# Altium PCB Waffling60-NMB.PcbDoc (part 2 of 2)
Units mm, origin at the board's own origin, x right, y up, seen from the top; angles counter-clockwise.
Board outline 284.7 x 94.21 mm, 2 copper layers (Component Side, Bottom Layer), stack 1.571 mm thick; 191 components, 116 nets, 794 pads, 119 vias.
Unrouted connection lines stored in the file: 9.
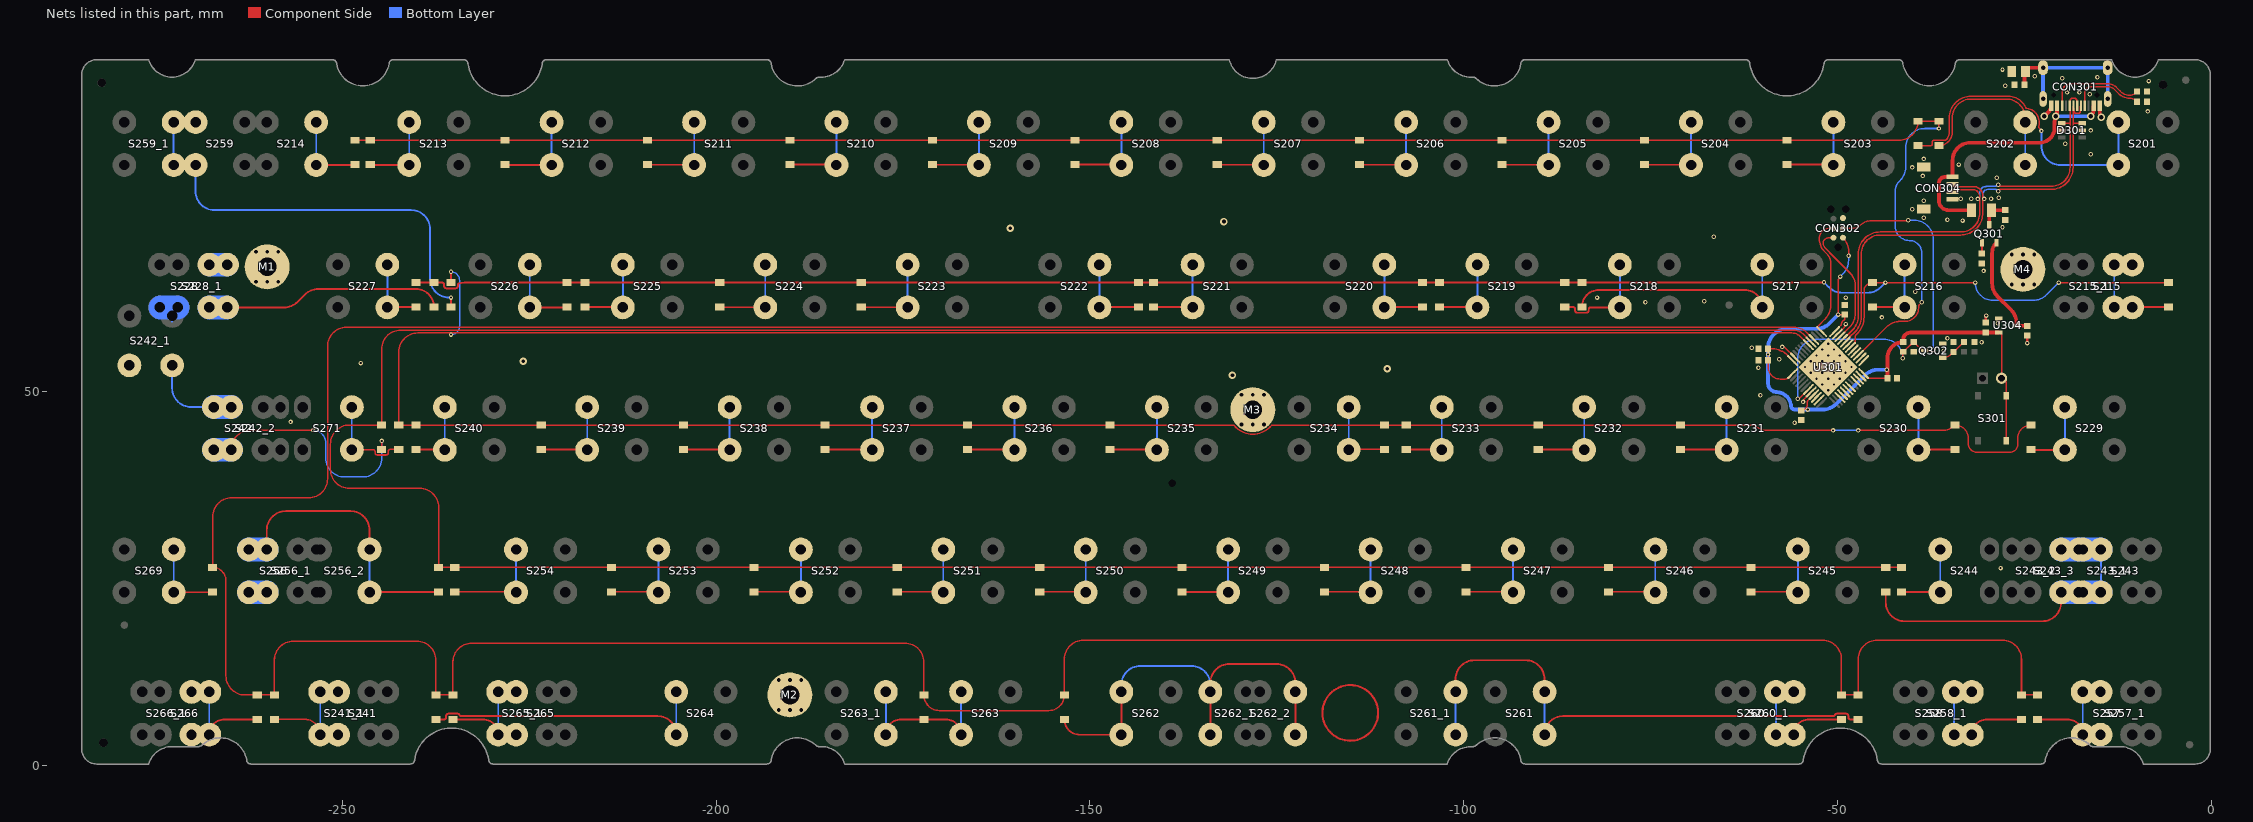
[diagram p2: the nets of this part, all layers, seen from the top]

## Via types
v1: diameter 0.6, hole 0.3, Component Side to Bottom Layer, tented both sides, 85 vias
v2: diameter 0.6, hole 0.3, Component Side to Bottom Layer, tented bottom, 25 vias
v3: diameter 1, hole 0.5, Component Side to Bottom Layer, tented both sides, 5 vias
v4: diameter 1, hole 0.6, Component Side to Bottom Layer, tented both sides, 4 vias

## Nets (pads, with @x,y where several pads share a name; then routed paths per layer and width w, separated by ;. In a path a pad name is that pad's centre, name@x,y a point inside that pad or via, vN(x,y) a via of type N, cw(c..) or ccw(c..) an arc to the next point about the centre after c; other vN are vias at no path point) (continued)
D_N: CON301.A7 CON301.B7 CON304.2 D301.3 U301.32 | length 66
  Component Side w0.2: U301.32@-48.802,56.827 -48.802,56.854 -48.346,57.311 -48.346,57.352 -47.652,58.046 ccw(c-49.609,60.004) -47.649,58.049 ccw(c-49.609,60.004) -46.841,60 ccw(c-49.609,60.004) -46.841,60.004 -46.841,68.431 cw(c-44.301,68.431) -44.301,70.971 -33.528,70.971 ccw(c-33.528,73.914) -32.867,71.046 ccw(c-33.528,73.914) -30.66,73.253 ccw(c-33.528,73.914) -30.585,73.914 -30.585,76.24 ccw(c-31.796,76.24) -31.796,77.452 -34.327,77.452 cw(c-34.327,77.75) CON304.2@-34.625,77.75 ; v1(-28.5,76.82) -28.253,77.067 -21.442,77.067 ccw(c-21.442,80.01) -18.498,80.01 -18.498,85.852 ; CON301.B7@-17.45,88.25 -17.5,88.18 -17.502,88.18 ccw(c-17.32,88.097) -17.52,88.097 -17.52,87.525 cw(c-17.8,87.525) -17.8,87.245 -18.1,87.245 cw(c-18.1,87.525) -18.38,87.525 -18.38,87.674 ccw(c-18.58,87.674) -18.398,87.757 -18.4,87.757 -18.498,88.202 -18.498,85.852 ; D301.3@-17.294,85.913 -18.351,85.913 ccw(c-18.351,85.705) -18.498,85.852
  Bottom Layer w0.2: v1(-30.37,75.8) -30.37,75.884 -30.603,76.117 -30.603,76.383 cw(c-29.928,76.383) -30.479,76.774 cw(c-29.928,76.383) -30.319,76.934 cw(c-29.928,76.383) -29.928,77.058 -28.817,77.058 -28.579,76.82 v1(-28.5,76.82)
D_P: CON301.A6 CON301.B6 CON304.3 D301.4 U301.33 | length 65.1
  Component Side w0.2: U301.33@-49.156,57.181 -49.129,57.181 -48.672,57.637 -48.631,57.637 -47.937,58.331 ccw(c-49.612,60.005) -47.244,60.005 -47.244,68.431 cw(c-44.301,68.431) -44.301,71.374 -33.528,71.374 ccw(c-33.528,73.914) -33.067,71.416 ccw(c-33.528,73.914) -31.03,73.453 ccw(c-33.528,73.914) -30.988,73.914 -30.988,76.073 ccw(c-31.963,76.073) -31.963,77.048 -34.327,77.048 ccw(c-34.327,76.75) CON304.3@-34.625,76.75 ; v1(-28.5,77.7) -28.27,77.47 -21.442,77.47 ccw(c-21.442,80.01) -18.902,80.01 -18.902,85.979 ; D301.4@-20.044,85.913 -19.061,85.913 ccw(c-19.061,86.138) -18.902,85.979 ; CON301.A6@-17.95,88.25 -18,88.373 -18.018,88.373 cw(c-17.82,88.402) -18.02,88.401 -18.02,88.975 ccw(c-18.3,88.975) -18.3,89.255 -18.6,89.255 ccw(c-18.6,88.975) -18.88,88.975 -18.88,88.701 cw(c-19.08,88.702) -18.881,88.688 -18.9,88.688 CON301.B6@-18.95,88.25 -18.902,88.202 -18.902,85.979
  Bottom Layer w0.2: v1(-31.24,75.8) -31.24,75.884 -31.007,76.117 -31.007,76.55 cw(c-30.095,76.55) -30.946,76.877 cw(c-30.095,76.55) -30.422,77.401 cw(c-30.095,76.55) -30.095,77.462 -28.817,77.462 -28.579,77.7 v1(-28.5,77.7)
GND: C301.1 C302.1 C303.1 C304.1 C305.1 C306.1 C307.1 C308.1 C310.2 C312.1 CON301.A1B12 CON301.B1A12 CON302.5 CON304.4 CON304.5 D301.2 L301.1 M1.1 M2.1 M3.1 M4.1 Q302.2 R301.2 R302.2 R304.2 R305.2 R307.2 U301.8 U301.23 U301.35 U301.47 U304.1 | length 34.4
  Component Side w0.203: v1(-57.404,56.007) cw(c-57.404,55.368) -56.952,55.82 U301.47@-55.838,54.706 ; v1(-54.61,48.641) cw(c-53.989,48.641) -54.428,49.08 U301.8@-53.717,49.792 ; U301.35@-49.863,57.888 ccw(c-49.907,58.086) -49.764,57.942 -49.16,58.546 ccw(c-49.68,59.066) -48.955,58.943 cw(c-48.755,58.908) v1(-48.895,59.055)
  Component Side w0.279: -111.462,7.175 cw(c-115.18,7.051) -111.463,7.189
  Component Side w0.3: C308.1@-30.169,59.239 v1@-30.169,60.24 ; v1@-28.463,59.174 U304.1@-28.463,59.821 ; v1(-24.638,56.515) C307.1@-24.638,57.516
  Component Side w0.5: v4(-22.352,86.868) -21.789,87.431 ccw(c-22.609,88.25) -21.475,88.009 ccw(c-22.609,88.25) CON301.B1A12@-21.45,88.25 ; CON301.A1B12@-14.95,88.25 -14.95,87.267 ccw(c-14.206,87.267) v4(-14.732,86.741)
  other v1: -28.194,26.416 -55.753,45.847 -256.921,45.974 -60.325,49.53 -60.579,53.213 -247.523,53.848 -57.785,54.356 -35.814,55.499 -61.468,55.88 -30.734,56.642 -35.306,57.15 -28.603,59.174 -44.069,59.944 -30.099,60.198 -75.692,61.976 -67.818,62.103 -82.169,62.611 -48.895,62.611 -39.624,63.373 -30.48,66.167 -66.548,70.739 -27.94,72.009 -33.274,72.898 -35.306,73.025 -38.481,73.279 -40.005,74.422 -38.481,75.565 -33.528,75.819 -32.131,75.819 -29.464,75.819 -28.448,75.946 -28.702,78.613 -38.608,78.867 -40.005,80.01 -33.782,80.391 -38.481,81.153 -16.129,81.788 -19.558,83.185 -16.129,84.963 -8.509,87.503 -16.256,89.789 -19.304,90.043 -17.653,90.043 -27.559,90.932 -8.382,91.567 -19.939,91.948 -15.24,92.075 -23.622,92.202 -27.94,93.091
  other v2: -51.26,50.198 -52.037,50.976 -50.482,50.976 -52.815,51.754 -51.26,51.754 -49.704,51.754 -53.593,52.531 -52.037,52.531 -50.482,52.531 -48.926,52.531 -54.371,53.309 -52.815,53.309 -51.26,53.309 -49.704,53.309 -48.148,53.309 -53.593,54.087 -52.037,54.087 -50.482,54.087 -48.926,54.087 -52.815,54.865 -51.26,54.865 -49.704,54.865 -52.037,55.643 -50.482,55.643 -51.26,56.421
  other v3: -130.937,52.197 -110.236,53.086 -225.806,54.102 -160.655,71.882 -132.08,72.771
LED: U301.29
NetC306_2: C306.2 F301.1 Q301.3 | length 4
  Component Side w0.5: Q301.3@-29.718,72.32 -29.718,73.961 cw(c-29.384,73.961) F301.1@-29.384,74.295 -27.559,74.295 C306.2@-27.559,74.31
NetC309_2: C309.2 Q302.1 R305.1 | length 3.7
  Component Side w0.203: Q302.1@-35.954,54.549 ccw(c-35.954,56.176) -34.803,55.026 R305.1@-34.487,55.342 -34.189,55.64 -34.132,55.64 -33.115,56.657 C309.2@-33.09,56.657
NetC312_2: C312.2 CON301.S1 L301.2 | length 21.5
  Component Side w0.5: C312.2@-25.004,91.059 -25.004,92.694 cw(c-24.861,92.694) L301.2@-24.861,92.837 cw(c-24.353,92.837) -24.353,93.345 CON301.S1@-22.52,93.345
  Bottom Layer w0.5: CON301.S1@-22.52,89.165 CON301.S1@-22.52,93.345 CON301.S1@-13.88,93.345 CON301.S1@-13.88,89.165
NetCON301_A5: CON301.A5 R301.1 | length 9.9
  Component Side w0.203: CON301.A5@-16.95,88.25 -16.95,89.984 cw(c-16.129,89.984) -16.129,90.805 -13.843,90.805 cw(c-13.843,89.579) -12.976,90.446 -12.636,90.106 -12.49,89.96 -12.436,89.906 ccw(c-10.922,91.42) -10.922,89.279 cw(c-10.922,88.083) -10.077,88.929 R301.1@-9.921,88.773
NetCON301_B5: CON301.B5 R302.1 | length 13.1
  Component Side w0.203: CON301.B5@-19.95,88.25 -19.95,90.078 cw(c-18.84,90.078) -18.84,91.188 -13.843,91.188 cw(c-13.843,89.579) -12.704,90.716 -12.366,90.378 -12.219,90.231 ; -12.218,90.23 cw(c-12.074,90.373) -12.219,90.231 ; -12.218,90.229 -12.167,90.179 ccw(c-10.922,91.42) -10.922,89.662 ccw(c-10.922,90.852) -10.08,90.011 R302.1@-9.921,90.17
NetD201_1: D201.1 S201.1 | length 43.6
  Component Side w0.203: D201.1@-39.243,82.923 -37.544,82.923 ccw(c-37.544,83.126) -37.341,83.126 -37.341,83.378 cw(c-37.059,83.378) -37.059,83.66 -35.601,83.66 ccw(c-35.602,83.863) -35.458,83.719 ccw(c-36.449,84.701) -35.114,84.297 ccw(c-36.449,84.701) -35.054,84.701 -35.054,86.614 cw(c-32.131,86.614) -32.131,89.537 -27.178,89.537 cw(c-27.178,86.997) -24.859,88.033 ccw(c-24.674,88.117) -24.697,87.916 cw(c-24.9,86.055) -23.11,85.51 ccw(c-22.915,85.452) -23.059,85.309 -22.792,85.042 cw(c-22.936,84.898) v1(-22.733,84.898) v1@-22.733,84.836
  Bottom Layer w0.254: v1(-22.733,84.898) -22.733,82.875 ccw(c-20.193,82.875) -20.193,80.335 S201.1@-12.45,80.335 S201.1@-12.45,86.055
NetD202_1: D202.1 S202.1 | length 23.7
  Component Side w0.203: D202.1@-36.449,82.923 ccw(c-36.449,84.701) -34.671,84.701 -34.671,86.614 cw(c-32.131,86.614) -32.131,89.154 -27.44,89.154 cw(c-27.44,86.614) -24.9,86.614 S202.1@-24.9,86.055
  Bottom Layer w0.254: S202.1@-24.9,80.335 S202.1@-24.9,86.055
NetD203_1: D203.1 S203.1 | length 12
  Component Side w0.254: D203.1@-56.769,80.383 -50.598,80.383 cw(c-50.598,80.335) S203.1@-50.55,80.335
  Bottom Layer w0.254: S203.1@-50.55,80.335 S203.1@-50.55,86.055
NetD204_1: D204.1 S204.1 | length 12
  Component Side w0.203: D204.1@-75.819,80.383 -69.648,80.383 cw(c-69.648,80.335) S204.1@-69.6,80.335
  Bottom Layer w0.254: S204.1@-69.6,80.335 S204.1@-69.6,86.055
NetD205_1: D205.1 S205.1 | length 12
  Component Side w0.203: D205.1@-94.869,80.383 -88.698,80.383 cw(c-88.698,80.335) S205.1@-88.65,80.335
  Bottom Layer w0.254: S205.1@-88.65,80.335 S205.1@-88.65,86.055
NetD206_1: D206.1 S206.1 | length 12
  Component Side w0.203: D206.1@-113.919,80.383 -107.748,80.383 cw(c-107.748,80.335) S206.1@-107.7,80.335
  Bottom Layer w0.254: S206.1@-107.7,80.335 S206.1@-107.7,86.055
NetD207_1: D207.1 S207.1 | length 12
  Component Side w0.203: D207.1@-132.969,80.383 -126.798,80.383 cw(c-126.798,80.335) S207.1@-126.75,80.335
  Bottom Layer w0.254: S207.1@-126.75,80.335 S207.1@-126.75,86.055
NetD208_1: D208.1 S208.1 | length 12
  Component Side w0.254: D208.1@-152.019,80.383 -145.848,80.383 cw(c-145.848,80.335) S208.1@-145.8,80.335
  Bottom Layer w0.254: S208.1@-145.8,80.335 S208.1@-145.8,86.055
NetD209_1: D209.1 S209.1 | length 12
  Component Side w0.203: D209.1@-171.069,80.383 -164.898,80.383 cw(c-164.898,80.335) S209.1@-164.85,80.335
  Bottom Layer w0.254: S209.1@-164.85,80.335 S209.1@-164.85,86.055
NetD210_1: D210.1 S210.1 | length 12
  Component Side w0.254: D210.1@-190.119,80.383 -183.948,80.383 cw(c-183.948,80.335) S210.1@-183.9,80.335
  Bottom Layer w0.254: S210.1@-183.9,80.335 S210.1@-183.9,86.055
NetD211_1: D211.1 S211.1 | length 12
  Component Side w0.203: D211.1@-209.169,80.383 -202.998,80.383 cw(c-202.998,80.335) S211.1@-202.95,80.335
  Bottom Layer w0.203: S211.1@-202.95,80.335 S211.1@-202.95,86.055
NetD212_1: D212.1 S212.1 | length 12
  Component Side w0.254: D212.1@-228.219,80.383 ccw(c-228.103,80.499) -228.103,80.335 S212.1@-222,80.335
  Bottom Layer w0.254: S212.1@-222,80.335 S212.1@-222,86.055
NetD213_1: D213.1 S213.1 | length 10.9
  Component Side w0.254: D213.1@-246.253,80.383 ccw(c-246.137,80.499) -246.137,80.335 S213.1@-241.05,80.335
  Bottom Layer w0.203: S213.1@-241.05,80.335 S213.1@-241.05,86.055
NetD214_1: D214.1 S214.1 | length 10.9
  Component Side w0.254: S214.1@-253.5,80.335 -248.401,80.335 ccw(c-248.401,80.499) D214.1@-248.285,80.383
  Bottom Layer w0.203: S214.1@-253.5,80.335 S214.1@-253.5,86.055
NetD215_1: D215.1 S215.1 S215_1.1 | length 10.6
  Component Side w0.254: S215.1@-10.612,61.285 cw(c-10.565,61.285) -10.565,61.333 D215.1@-5.715,61.333
  Bottom Layer w0.254: S215_1.1@-12.994,61.285 S215_1.1@-12.994,67.005
NetD216_1: D216.1 S216.1 | length 10.1
  Component Side w0.254: D216.1@-45.339,61.333 -41.073,61.333 cw(c-41.073,61.285) S216.1@-41.025,61.285
  Bottom Layer w0.254: S216.1@-41.025,61.285 S216.1@-41.025,67.005
NetD217_1: D217.1 S217.1 | length 32.5
  Component Side w0.254: D217.1@-84.201,61.333 cw(c-81.907,61.333) -81.907,63.627 -62.417,63.627 cw(c-62.417,61.285) S217.1@-60.075,61.285
  Bottom Layer w0.254: S217.1@-60.075,61.285 S217.1@-60.075,67.005
NetD218_1: D218.1 S218.1 | length 14.1
  Component Side w0.254: D218.1@-86.487,61.333 -85.372,61.333 cw(c-85.372,61.079) -85.118,61.079 -85.118,60.878 ccw(c-84.811,60.878) -84.811,60.571 -83.591,60.571 ccw(c-83.591,60.878) -83.284,60.878 -83.284,61.031 cw(c-83.03,61.031) -83.03,61.285 S218.1@-79.125,61.285
  Bottom Layer w0.254: S218.1@-79.125,61.285 S218.1@-79.125,67.005
NetD219_1: D219.1 S219.1 | length 10.8
  Component Side w0.254: D219.1@-103.251,61.333 -98.223,61.333 cw(c-98.223,61.285) S219.1@-98.175,61.285
  Bottom Layer w0.254: S219.1@-98.175,61.285 S219.1@-98.175,67.005
NetD220_1: D220.1 S220.1 | length 10.8
  Component Side w0.254: S220.1@-110.625,61.285 cw(c-110.577,61.285) -110.577,61.333 D220.1@-105.537,61.333
  Bottom Layer w0.254: S220.1@-110.625,61.285 S220.1@-110.625,67.005
NetD221_1: D221.1 S221.1 | length 11
  Component Side w0.254: D221.1@-141.478,61.333 -136.323,61.333 cw(c-136.323,61.285) S221.1@-136.275,61.285
  Bottom Layer w0.254: S221.1@-136.275,61.285 S221.1@-136.275,67.005
NetD222_1: D222.1 S222.1 | length 11
  Component Side w0.254: S222.1@-148.725,61.285 cw(c-148.677,61.285) -148.677,61.333 D222.1@-143.51,61.333
  Bottom Layer w0.254: S222.1@-148.725,61.285 S222.1@-148.725,67.005
NetD223_1: D223.1 S223.1 | length 12
  Component Side w0.203: D223.1@-180.594,61.333 -174.423,61.333 cw(c-174.423,61.285) S223.1@-174.375,61.285
  Bottom Layer w0.254: S223.1@-174.375,61.285 S223.1@-174.375,67.005
NetD224_1: D224.1 S224.1 | length 11.8
  Component Side w0.203: D224.1@-199.517,61.333 -193.473,61.333 cw(c-193.473,61.285) S224.1@-193.425,61.285
  Bottom Layer w0.254: S224.1@-193.425,61.285 S224.1@-193.425,67.005
NetD225_1: D225.1 S225.1 | length 10.8
  Component Side w0.254: D225.1@-217.551,61.333 -212.591,61.333 cw(c-212.591,61.169) S225.1@-212.475,61.285
  Bottom Layer w0.254: S225.1@-212.475,61.285 S225.1@-212.475,67.005
NetD226_1: D226.1 S226.1 | length 10.7
  Component Side w0.254: S226.1@-224.925,61.285 -220.08,61.285 ccw(c-220.08,61.449) D226.1@-219.964,61.333
  Bottom Layer w0.203: S226.1@-224.925,61.285 S226.1@-224.925,67.005
NetD227_1: D227.1 S227.1 | length 9.6
  Component Side w0.254: S227.1@-243.975,61.285 cw(c-243.859,61.169) -243.859,61.333 D227.1@-240.157,61.333
  Bottom Layer w0.254: S227.1@-243.975,61.285 S227.1@-243.975,67.005
NetD228_1: D228.1 S228.1 S228_1.1 | length 34.4
  Component Side w0.254: S228_1.1@-265.406,61.285 -257.776,61.285 ccw(c-257.776,63.825) -255.98,62.028 -254.998,63.01 cw(c-253.202,61.214) -253.202,63.754 -240.165,63.754 cw(c-240.165,61.333) D228.1@-237.744,61.333
  Bottom Layer w3.18: S228.1@-267.746,61.285 S228_1.1@-265.467,61.285 ; S228.1@-267.725,67.005 S228_1.1@-265.447,67.005
NetD229_1: D229.1 S229.2 | length 10.3
  Component Side w0.254: D229.1@-24.13,42.283 ccw(c-24.082,42.283) -24.082,42.235 S229.2@-19.594,42.235
  Bottom Layer w0.254: S229.2@-19.594,42.235 S229.2@-19.594,47.955
NetD230_1: D230.1 S230.1 | length 10.6
  Component Side w0.254: S230.1@-39.187,42.235 cw(c-39.14,42.235) -39.14,42.283 D230.1@-34.29,42.283
  Bottom Layer w0.254: S230.1@-39.187,42.235 S230.1@-39.187,47.955
NetD231_1: D231.1 S231.1 | length 11.9
  Component Side w0.254: D231.1@-70.993,42.283 -64.885,42.283 cw(c-64.885,42.235) S231.1@-64.838,42.235
  Bottom Layer w0.254: S231.1@-64.838,42.235 S231.1@-64.838,47.955
NetD232_1: D232.1 S232.1 | length 11.9
  Component Side w0.254: D232.1@-90.043,42.283 -83.935,42.283 cw(c-83.935,42.235) S232.1@-83.888,42.235
  Bottom Layer w0.254: S232.1@-83.888,42.235 S232.1@-83.888,47.955
NetD233_1: D233.1 S233.1 | length 10.5
  Component Side w0.254: D233.1@-107.696,42.283 -102.985,42.283 cw(c-102.985,42.235) S233.1@-102.938,42.235
  Bottom Layer w0.254: S233.1@-102.938,42.235 S233.1@-102.938,47.955
NetD234_1: D234.1 S234.1 | length 10.5
  Component Side w0.203: S234.1@-115.387,42.235 cw(c-115.34,42.235) -115.34,42.283 D234.1@-110.617,42.283
  Bottom Layer w0.203: S234.1@-115.387,42.235 S234.1@-115.387,47.955
NetD235_1: D235.1 S235.1 | length 12
  Component Side w0.254: D235.1@-147.32,42.283 -141.085,42.283 cw(c-141.085,42.235) S235.1@-141.038,42.235
  Bottom Layer w0.254: S235.1@-141.038,42.235 S235.1@-141.038,47.955
NetD236_1: D236.1 S236.1 | length 12
  Component Side w0.254: D236.1@-166.37,42.283 -160.135,42.283 cw(c-160.135,42.235) S236.1@-160.088,42.235
  Bottom Layer w0.254: S236.1@-160.088,42.235 S236.1@-160.088,47.955
NetD237_1: D237.1 S237.1 | length 12
  Component Side w0.254: D237.1@-185.42,42.283 -179.185,42.283 cw(c-179.185,42.235) S237.1@-179.138,42.235
  Bottom Layer w0.254: S237.1@-179.138,42.235 S237.1@-179.138,47.955
NetD238_1: D238.1 S238.1 | length 11.9
  Component Side w0.254: D238.1@-204.343,42.283 -198.235,42.283 cw(c-198.235,42.235) S238.1@-198.188,42.235
  Bottom Layer w0.254: S238.1@-198.188,42.235 S238.1@-198.188,47.955
NetD239_1: D239.1 S239.1 | length 11.9
  Component Side w0.254: D239.1@-223.393,42.283 -217.285,42.283 cw(c-217.285,42.235) S239.1@-217.238,42.235
  Bottom Layer w0.203: S239.1@-217.238,42.235 S239.1@-217.238,47.955
NetD240_1: D240.1 S240.1 | length 9.6
  Component Side w0.254: D240.1@-240.157,42.283 -236.335,42.283 cw(c-236.335,42.235) S240.1@-236.288,42.235
  Bottom Layer w0.203: S240.1@-236.288,42.235 S240.1@-236.288,47.955
NetD241_1: D241.1 S241.2 S241_1.2 | length 13
  Component Side w0.203: D241.1@-259.08,6.183 -255.004,6.183 cw(c-255.004,4.135) S241_1.2@-252.956,4.135
  Bottom Layer w0.203: S241_1.2@-252.956,4.135 S241_1.2@-252.956,9.855
NetD242_1: D242.1 S242.1 S242_1.1 S242_2.1 | length 48.8
  Component Side w0.203: S242_2.1@-264.862,42.239 -264.862,42.291 cw(c-262.322,42.291) -262.322,44.831 v1(-253.873,44.831) ; v1@-244.856,43.561 cw(c-244.856,43.434) v1(-244.729,43.434) D242.1@-244.729,42.283
  Bottom Layer w0.203: v1(-253.873,44.831) cw(c-253.873,43.18) -252.222,43.18 -252.222,41.148 ccw(c-249.682,41.148) -249.682,38.608 -247.269,38.608 ccw(c-247.269,41.148) -244.729,41.148 v1(-244.729,43.434)
  Bottom Layer w0.254: S242_1.1@-272.751,53.545 -272.751,50.495 ccw(c-270.211,50.495) -270.211,47.955 S242.1@-267.161,47.955 ; -272.751,59.38 -272.751,60.145
  Bottom Layer w3.18: -274.305,61.285 -272.026,61.285 ; S242.1@-267.161,42.235 S242_2.1@-264.883,42.235 ; S242.1@-267.141,47.955 S242_2.1@-264.862,47.955
NetD243_1: D243.1 S243.1 S243_1.1 S243_2.1 S243_3.1 | length 43.3
  Component Side w0.254: D243.1@-43.561,23.233 -43.561,21.844 ccw(c-41.021,21.844) -41.021,19.304 -22.634,19.304 ccw(c-22.634,21.844) -20.094,21.844 S243_2.1@-20.094,23.185
  Bottom Layer w0.254: S243.1@-14.791,23.185 S243.1@-14.791,28.905
  Bottom Layer w3.18: S243_2.1@-20.094,23.185 S243_3.1@-18.256,23.185 ; S243_2.1@-20.094,28.905 S243_3.1@-18.256,28.905 ; S243_3.1@-17.715,28.905 S243.1@-14.791,28.905 ; S243_3.1@-16.629,23.185 S243.1@-14.791,23.185
NetD244_1: D244.1 S244.2 | length 11
  Component Side w0.254: D244.1@-41.468,23.233 -36.31,23.233 cw(c-36.31,23.185) S244.2@-36.263,23.185
  Bottom Layer w0.203: S244.2@-36.263,23.185 S244.2@-36.263,28.905
NetD245_1: D245.1 S245.1 | length 12
  Component Side w0.203: D245.1@-61.595,23.233 -55.36,23.233 cw(c-55.36,23.185) S245.1@-55.312,23.185
  Bottom Layer w0.254: S245.1@-55.312,23.185 S245.1@-55.312,28.905
NetD246_1: D246.1 S246.1 | length 12
  Component Side w0.203: D246.1@-80.645,23.233 -74.41,23.233 cw(c-74.41,23.185) S246.1@-74.362,23.185
  Bottom Layer w0.203: S246.1@-74.362,23.185 S246.1@-74.362,28.905
NetD247_1: D247.1 S247.1 | length 12
  Component Side w0.203: D247.1@-99.695,23.233 -93.46,23.233 cw(c-93.46,23.185) S247.1@-93.412,23.185
  Bottom Layer w0.203: S247.1@-93.412,23.185 S247.1@-93.412,28.905
NetD248_1: D248.1 S248.1 | length 11.9
  Component Side w0.203: D248.1@-118.618,23.233 -112.51,23.233 cw(c-112.51,23.185) S248.1@-112.462,23.185
  Bottom Layer w0.254: S248.1@-112.462,23.185 S248.1@-112.462,28.905
NetD249_1: D249.1 S249.1 | length 11.9
  Component Side w0.254: D249.1@-137.668,23.233 -131.56,23.233 cw(c-131.56,23.185) S249.1@-131.512,23.185
  Bottom Layer w0.254: S249.1@-131.512,23.185 S249.1@-131.512,28.905
NetD250_1: D250.1 S250.1 | length 11.9
  Component Side w0.203: D250.1@-156.718,23.233 -150.61,23.233 cw(c-150.61,23.185) S250.1@-150.562,23.185
  Bottom Layer w0.203: S250.1@-150.562,23.185 S250.1@-150.562,28.905
NetD251_1: D251.1 S251.1 | length 11.9
  Component Side w0.203: D251.1@-175.768,23.233 -169.66,23.233 cw(c-169.66,23.185) S251.1@-169.612,23.185
  Bottom Layer w0.203: S251.1@-169.612,23.185 S251.1@-169.612,28.905
NetD252_1: D252.1 S252.1 | length 12
  Component Side w0.203: D252.1@-194.945,23.233 -188.71,23.233 cw(c-188.71,23.185) S252.1@-188.662,23.185
  Bottom Layer w0.254: S252.1@-188.662,23.185 S252.1@-188.662,28.905
NetD253_1: D253.1 S253.1 | length 12
  Component Side w0.203: D253.1@-213.995,23.233 -207.76,23.233 cw(c-207.76,23.185) S253.1@-207.712,23.185
  Bottom Layer w0.254: S253.1@-207.712,23.185 S253.1@-207.712,28.905
NetD254_1: D254.1 S254.1 | length 13.9
  Component Side w0.203: D254.1@-234.95,23.233 -226.81,23.233 cw(c-226.81,23.185) S254.1@-226.762,23.185
  Bottom Layer w0.254: S254.1@-226.762,23.185 S254.1@-226.762,28.905
NetD255_1: D255.1 S256.1 S256_1.1 S256_2.1 | length 41.6
  Component Side w0.254: S256_1.1@-260.1,28.905 -260.1,31.496 cw(c-257.56,31.496) -257.56,34.036 -248.896,34.036 cw(c-248.896,31.496) -246.356,31.496 S256_2.1@-246.356,28.905 ; S256_2.1@-246.356,23.185 cw(c-246.308,23.185) -246.308,23.233 D255.1@-237.109,23.233
  Bottom Layer w0.254: S256_2.1@-246.356,23.185 S256_2.1@-246.356,28.905
  Bottom Layer w3.18: S256.1@-262.481,23.185 S256_1.1@-260.1,23.185 ; S256.1@-262.481,28.905 S256_1.1@-260.1,28.905
NetD256_1: D256.1 S269.1 | length 11
  Component Side w0.203: S269.1@-272.55,23.185 -267.383,23.185 ccw(c-267.383,23.233) D256.1@-267.335,23.233
  Bottom Layer w0.203: S269.1@-272.55,23.185 S269.1@-272.55,28.905
NetD257_1: D257.1 S257.2 S257_1.2 | length 12.9
  Component Side w0.254: D257.1@-23.241,6.183 -19.26,6.183 cw(c-19.26,4.135) S257.2@-17.213,4.135
  Bottom Layer w0.254: S257.2@-17.213,4.135 S257.2@-17.213,9.855
NetD258_1: D258.1 S258.1 S258_1.2 | length 13.5
  Component Side w0.254: S258_1.2@-32.043,4.135 cw(c-29.995,4.135) -29.995,6.183 D258.1@-25.4,6.183
  Bottom Layer w0.254: S258.1@-34.424,4.135 S258.1@-34.424,9.855
NetD259_1: D259.1 S259.2 S259_1.1 | length 55.6
  Component Side w0.254: D259.1@-235.458,61.333 v1(-235.458,62.611)
  Bottom Layer w0.254: S259_1.1@-272.55,80.335 S259_1.1@-272.55,86.055 ; S259.2@-269.625,80.335 -269.625,76.835 ccw(c-267.085,76.835) -267.085,74.295 -240.792,74.295 cw(c-240.792,71.755) -238.252,71.755 -238.252,65.151 ccw(c-235.712,65.151) -235.712,62.611 v1(-235.458,62.611)
NetD260_1: D260.1 S260.1 S260_1.2 | length 13.3
  Component Side w0.254: S260_1.2@-55.856,4.135 cw(c-53.808,4.135) -53.808,6.183 D260.1@-49.482,6.183
  Bottom Layer w0.254: S260.1@-58.237,4.135 S260.1@-58.237,9.855
NetD261_1: D261.1 S261.1 S261_1.1 | length 73.7
  Component Side w0.254: S261_1.1@-101.099,9.855 -101.099,11.557 cw(c-98.559,11.557) -98.559,14.097 -91.733,14.097 cw(c-91.733,11.557) -89.193,11.557 S261.1@-89.193,9.855 ; S261.1@-89.193,4.135 cw(c-86.711,4.135) -86.711,6.617 -50.601,6.617 ccw(c-50.602,6.871) -50.372,6.765 cw(c-50.092,6.638) -50.092,6.945 -48.872,6.945 cw(c-48.872,6.638) -48.565,6.638 -48.565,6.437 ccw(c-48.311,6.437) -48.311,6.183 D261.1@-47.244,6.183
  Bottom Layer w0.254: S261_1.1@-101.099,4.135 S261_1.1@-101.099,9.855 ; S261.1@-89.193,4.135 S261.1@-89.193,9.855
NetD262_1: D262.1 S262.2 S262_1.2 S262_2.2 | length 59.3
  Component Side w0.254: D262.1@-153.416,6.183 ccw(c-151.368,6.183) -151.368,4.135 S262.2@-145.799,4.135 S262.2@-145.799,9.855 ; S262_1.2@-133.893,4.135 S262_1.2@-133.893,9.855 -133.893,11.049 cw(c-131.353,11.049) -131.353,13.589 -125.063,13.589 cw(c-125.063,11.049) -122.523,11.049 S262_2.2@-122.523,9.855 S262_2.2@-122.523,4.135
  Bottom Layer w0.254: S262.2@-145.799,9.855 -145.799,10.795 cw(c-143.259,10.795) -143.259,13.335 -136.433,13.335 cw(c-136.433,10.795) -133.893,10.795 S262_1.2@-133.893,9.855
NetD263_1: D263.1 S263.2 S263_1.2 | length 23.8
  Component Side w0.254: S263_1.2@-177.299,4.135 cw(c-175.251,4.135) -175.251,6.183 D263.1@-172.212,6.183 -169.279,6.183 cw(c-169.279,4.135) S263.2@-167.231,4.135
  Bottom Layer w0.254: S263_1.2@-177.299,4.135 S263_1.2@-177.299,9.855 ; S263.2@-167.231,4.135 S263.2@-167.231,9.855
NetD264_1: D264.1 S264.1 | length 39.9
  Component Side w0.254: D264.1@-237.49,6.183 -236.375,6.183 ccw(c-236.375,6.437) -236.121,6.437 -236.121,6.638 cw(c-235.814,6.638) -235.814,6.945 -234.594,6.945 cw(c-234.594,6.638) -234.314,6.765 ccw(c-234.084,6.871) -234.085,6.617 -207.813,6.617 cw(c-207.813,4.135) S264.1@-205.331,4.135
  Bottom Layer w0.254: S264.1@-205.331,4.135 S264.1@-205.331,9.855
NetD265_1: D265.1 S265.2 S265_1.2 | length 12.9
  Component Side w0.254: D265.1@-235.204,6.183 -231.191,6.183 cw(c-231.191,4.135) S265_1.2@-229.143,4.135
  Bottom Layer w0.254: S265_1.2@-229.143,4.135 S265_1.2@-229.143,9.855
NetD266_1: D266.1 S266.1 S266_1.1 | length 13.3
  Component Side w0.254: S266.1@-267.787,4.135 cw(c-265.739,4.135) -265.739,6.183 D266.1@-261.366,6.183
  Bottom Layer w0.254: S266.1@-267.787,4.135 S266.1@-267.787,9.855
NetD271_1: D271.1 S271.1 | length 13
  Component Side w0.203: S271.1@-248.712,42.235 -245.824,42.235 cw(c-245.824,42.032) -245.621,42.032 -245.621,41.828 ccw(c-245.339,41.828) -245.59,41.701 ccw(c-245.339,41.828) -245.339,41.546 -244.119,41.546 ccw(c-244.119,41.828) -243.837,41.828 -243.837,42.08 cw(c-243.634,42.08) -243.634,42.283 D271.1@-242.443,42.283
  Bottom Layer w0.203: S271.1@-248.712,42.235 S271.1@-248.712,47.955
NetQ301_1: Q301.1 R307.1 | length 1.5
  Component Side w0.254: R307.1@-30.734,68.468 ccw(c-30.734,68.534) -30.668,68.534 Q301.1@-30.668,69.92
NRST: C310.1 CON302.3 Q302.3 R303.2 U301.7 | length 58.6
  Component Side w0.203: v1(-55.342,49.08) ccw(c-55.342,49.581) -54.989,49.227 U301.7@-54.07,50.145 ; CON302.3@-49.276,71.882 -47.91,71.882 ccw(c-47.91,73.183) -46.99,72.263 cw(c-45.457,70.73) -45.457,72.898 v1@-40.513,72.898 ; v1(-41.275,54.483) -41.275,55.3 cw(c-41.218,55.3) R303.2@-41.218,55.357 -40.895,55.655 -40.144,56.359 C310.1@-39.821,56.657 -39.498,56.359 -38.752,55.672 Q302.3@-38.354,55.499 -37.338,55.499 ccw(c-37.338,55.626) v1(-37.211,55.626)
  Bottom Layer w0.203: v1(-55.342,49.08) -55.342,54.483 cw(c-52.802,54.483) -52.802,57.023 -43.815,57.023 cw(c-43.815,54.483) v1(-41.275,54.483) ; v1(-40.546,72.936) -39.751,72.936 cw(c-39.751,70.396) -37.211,70.396 v1(-37.211,55.626)
PA0: U301.10
PA1: U301.11
PA5: U301.15
PA6: U301.16
PA7: U301.17
PA9: D215.2 D216.2 D217.2 D218.2 D219.2 D220.2 D221.2 D222.2 D223.2 D224.2 D225.2 D226.2 D227.2 D228.2 U301.30 | length 249.5
  Component Side w0.203: U301.30@-47.79,56.426 -47.689,56.527 -47.687,56.583 cw(c-47.484,56.578) -47.663,56.674 ccw(c-48.042,56.88) -47.611,56.897 -47.611,57.389 cw(c-47.229,57.389) -47.499,57.659 -47.384,57.775 ccw(c-49.609,60.004) -46.459,60.005 -46.459,63.483 cw(c-45.339,63.483) D216.2@-45.339,64.603 v1(-43.601,64.603) v1(-31.593,64.603) ; v1(-20.425,64.603) D215.2@-5.715,64.603
  Component Side w0.254: D227.2@-240.157,64.603 D228.2@-237.744,64.603 -236.629,64.603 cw(c-236.629,64.349) -236.375,64.349 -236.375,64.148 ccw(c-236.068,64.148) -236.068,63.841 -234.848,63.841 ccw(c-234.848,64.148) -234.541,64.148 -234.541,64.258 cw(c-234.287,64.257) -234.359,64.5 cw(c-233.644,62.063) -233.644,64.603 D226.2@-219.964,64.603 D225.2@-217.551,64.603 D224.2@-199.517,64.603 D223.2@-180.594,64.603 D222.2@-143.51,64.603 D221.2@-141.478,64.603 D220.2@-105.537,64.603 D219.2@-103.251,64.603 D218.2@-86.487,64.603 D217.2@-84.201,64.603 -84.161,64.643 v1(-51.816,64.643)
  Bottom Layer w0.203: v1(-31.593,64.603) ccw(c-29.22,64.603) -29.22,62.23 -23.85,62.23 ccw(c-23.85,64.77) -22.054,62.974 v1(-20.425,64.603)
  Bottom Layer w0.254: v1(-51.816,64.643) -51.163,63.99 ccw(c-49.367,65.786) -49.367,63.246 -46.01,63.246 ccw(c-46.01,65.786) -44.214,63.99 v1(-43.601,64.603)
PA10: U301.31
PB0: U301.18
PB1: U301.19
PB4: D241.2 D256.2 D257.2 D258.2 D260.2 D261.2 D262.2 D263.2 D264.2 D265.2 D266.2 U301.40 | length 553.7
  Component Side w0.203: U301.40@-53.363,57.181 -54.089,57.906 ccw(c-55.841,56.155) -54.09,57.907 ccw(c-55.841,56.155) -55.841,58.632 -249.428,58.632 ccw(c-249.428,56.092) -251.968,56.092 -251.968,38.354 cw(c-254.508,38.354) -254.508,35.814 -264.795,35.814 ccw(c-264.795,33.274) -267.335,33.274 D256.2@-267.335,26.503 cw(c-267.335,24.725) -265.557,24.725 -265.557,11.993 ccw(c-263.017,11.993) -263.017,9.453 D266.2@-261.366,9.453 D241.2@-259.08,9.453 -259.08,14.097 cw(c-256.54,14.097) -256.54,16.637 -240.03,16.637 cw(c-240.03,14.097) -237.49,14.097 D264.2@-237.49,9.453 D265.2@-235.204,9.453 -235.204,13.843 cw(c-232.664,13.843) -232.664,16.383 -174.752,16.383 cw(c-174.752,13.843) -172.212,13.843 D263.2@-172.212,9.453 ccw(c-170.125,9.453) -170.125,7.366 -155.503,7.366 ccw(c-155.503,9.453) D262.2@-153.416,9.453 -153.416,14.224 cw(c-150.876,14.224) -150.876,16.764 -52.022,16.764 cw(c-52.022,14.224) -49.482,14.224 D260.2@-49.482,9.453 D261.2@-47.244,9.453 -47.244,14.224 cw(c-44.704,14.224) -44.704,16.764 -27.94,16.764 cw(c-27.94,14.224) -25.4,14.224 D258.2@-25.4,9.453 D257.2@-23.241,9.453
PB5: D242.2 D243.2 D244.2 D245.2 D246.2 D247.2 D248.2 D249.2 D250.2 D251.2 D252.2 D253.2 D254.2 D255.2 U301.41 | length 435.9
  Component Side w0.203: U301.41@-53.717,56.827 -54.642,57.753 ccw(c-55.84,56.555) -55.84,58.249 -242.189,58.249 ccw(c-242.189,55.709) -244.729,55.709 D242.2@-244.729,45.553 -249.045,45.553 ccw(c-249.045,43.013) -251.585,43.013 -251.585,39.624 ccw(c-249.045,39.624) -249.045,37.084 -239.649,37.084 cw(c-239.649,34.544) -237.109,34.544 D255.2@-237.109,26.503 D254.2@-234.95,26.503 D253.2@-213.995,26.503 D252.2@-194.945,26.503 D251.2@-175.768,26.503 D250.2@-156.718,26.503 D249.2@-137.668,26.503 D248.2@-118.618,26.503 D247.2@-99.695,26.503 D246.2@-80.645,26.503 D245.2@-61.595,26.503 D243.2@-43.561,26.503 D244.2@-41.468,26.503
PB6: D229.2 D230.2 D231.2 D232.2 D233.2 D234.2 D235.2 D236.2 D237.2 D238.2 D239.2 D240.2 D259.2 D271.2 U301.42 | length 435.5
  Component Side w0.203: D259.2@-235.458,64.603 v1(-235.458,66.04) ; U301.42@-54.07,56.474 -54.996,57.399 ccw(c-56.122,56.273) -56.122,57.866 -70.104,57.866 -188.341,57.866 -189.096,57.866 -196.849,57.866 ccw(c-196.852,57.662) -196.852,57.866 -231.267,57.866 -239.903,57.866 ccw(c-239.903,55.326) -242.443,55.326 D271.2@-242.443,45.553 D240.2@-240.157,45.553 D239.2@-223.393,45.553 D238.2@-204.343,45.553 D237.2@-185.42,45.553 D235.2@-147.32,45.553 -130.86,45.553 cw(c-130.861,45.35) -130.707,45.482 ccw(c-128.212,47.614) -125.717,45.483 cw(c-125.563,45.35) -125.564,45.553 D234.2@-110.617,45.553 D233.2@-107.696,45.553 D232.2@-90.043,45.553 D231.2@-70.993,45.553 -61.188,45.553 cw(c-61.189,45.35) -61.052,45.499 ccw(c-59.341,47.339) -59.341,44.827 v1(-50.609,44.827) ; v1(-47.244,44.831) -36.033,44.831 ccw(c-36.033,47.296) D230.2@-34.29,45.553 cw(c-34.29,43.775) -32.512,43.775 -32.512,43.053 ccw(c-31.369,43.053) -31.369,41.91 -26.924,41.91 ccw(c-26.924,42.926) -25.908,42.926 -25.908,43.775 cw(c-24.13,43.775) D229.2@-24.13,45.553
  Bottom Layer w0.203: v1(-235.458,57.658) ccw(c-235.458,58.801) -234.315,58.801 -234.315,64.897 ccw(c-235.458,64.897) v1(-235.458,66.04) ; v1(-50.609,44.827) -47.248,44.827 v1(-47.244,44.831)
PB10: U301.21
PB11: U301.22
PB12: U301.25
PB13: U301.26
PB14: D201.2 D202.2 D203.2 D204.2 D205.2 D206.2 D207.2 D208.2 D209.2 D210.2 D211.2 D212.2 D213.2 D214.2 U301.27 | length 254.8
  Component Side w0.203: D214.2@-248.285,83.653 D213.2@-246.253,83.653 D212.2@-228.219,83.653 D211.2@-209.169,83.653 D210.2@-190.119,83.653 D209.2@-171.069,83.653 D208.2@-152.019,83.653 D207.2@-132.969,83.653 D206.2@-113.919,83.653 D205.2@-94.869,83.653 D204.2@-75.819,83.653 D203.2@-56.769,83.653 -41.783,83.653 ccw(c-41.783,86.193) D201.2@-39.243,86.193 D202.2@-36.449,86.193 v1(-36.449,85.217) ; U301.27@-47.035,55.06 -47.035,55.073 -43.439,58.669 cw(c-41.642,56.873) -41.642,59.413 -41.025,59.413 ccw(c-41.025,61.285) -39.703,59.96 ccw(c-41.025,61.285) -39.7,59.963 ccw(c-41.025,61.285) -39.161,61.449 cw(c-38.958,61.466) -39.103,61.608 v1(-38.735,61.976)
  Bottom Layer w0.203: v1(-38.735,61.976) -38.735,68.58 ccw(c-40.386,68.58) -40.386,70.231 cw(c-40.386,72.136) -42.291,72.136 -42.291,76.879 cw(c-40.557,76.879) -41.783,78.105 -41.638,78.25 ccw(c-43.434,80.046) -40.894,80.046 -40.894,82.677 cw(c-38.354,82.677) -38.354,85.217 v1(-36.449,85.217)
PB15: U301.28
RAW: CON301.A4B9 CON301.B4A9 CON304.1 D301.5 F301.2 | length 40.2
  Component Side w0.5: F301.2@-32.084,74.295 -35.179,74.295 cw(c-35.179,75.565) -36.449,75.565 -36.449,77.876 cw(c-35.575,77.876) -35.575,78.75 CON304.1@-34.625,78.75 -34.625,80.945 cw(c-32.258,80.945) -32.258,83.312 -23.006,83.312 ccw(c-23.006,85.344) -20.974,85.344 ; CON301.B4A9@-20.6,88.3 CON301.B4A9@-20.65,88.25 -20.65,87.166 -20.811,87.005 v4(-20.811,86.87) -20.811,86.712 cw(c-21.311,86.714) -20.898,86.432 ccw(c-20.544,86.188) -20.974,86.188 -20.974,85.344 ; D301.5@-20.044,84.963 -20.974,84.963 -20.974,85.344 ; v4@-15.849,87.258 ccw(c-17.026,87.75) -15.8,87.396 ; v4@-15.849,87.258 cw(c-17.026,87.75) v4(-16.124,86.848) -16.124,86.983 v4@-15.849,87.258 ; v4@-15.849,87.258 -15.8,87.307 -15.8,87.396 ; -15.8,87.396 ccw(c-17.026,87.75) -15.75,87.75 CON301.A4B9@-15.75,88.25 -15.8,88.2 -15.8,87.396
  Bottom Layer w0.5: v4(-20.811,86.87) -20.8,86.859 -16.135,86.859 v4(-16.124,86.848)
SWCLK: CON302.4 U301.37 | length 16.2
  Component Side w0.203: U301.37@-52.303,58.241 -52.709,58.648 -52.52,58.881 -51.671,59.731 ccw(c-53.467,61.527) -50.927,61.527 -50.927,67.252 ccw(c-52.6,67.252) -51.417,68.435 -51.733,68.751 cw(c-49.998,70.485) -52.451,70.485 cw(c-51.054,70.485) -51.054,71.882 CON302.4@-50.546,71.882
SWDIO: CON302.2 U301.34 | length 16.4
  Component Side w0.203: CON302.2@-50.546,70.612 -51.149,70.612 ccw(c-51.149,69.824) -51.937,69.824 ccw(c-51.735,69.802) -51.925,69.729 ccw(c-49.998,70.485) -51.9,69.669 ccw(c-49.998,70.485) -51.461,69.021 -50.639,68.199 cw(c-52.705,66.131) -50.638,68.198 -48.368,65.928 cw(c-50.162,64.135) -47.659,64.544 cw(c-50.162,64.135) -47.626,64.135 -47.626,60.47 cw(c-50.166,60.47) -48.37,58.674 U301.34@-49.51,57.534
VCC: C307.2 Q301.2 U304.3 | length 13.8
  Component Side w0.5: Q301.2@-28.768,69.92 ccw(c-27.394,68.546) -29.337,68.546 -29.337,64.552 ccw(c-26.797,64.552) -28.593,62.756 -26.807,60.97 cw(c-28.603,59.174) -26.063,59.174 U304.3@-26.063,58.871 ccw(c-26.008,58.871) -26.008,58.816 C307.2@-24.638,58.816
VCC3V3: C301.2 C302.2 C303.2 C304.2 C305.2 C308.2 CON302.1 CON303.2 R303.1 S301.1 U301.1 U301.9 U301.24 U301.36 U301.48 U304.2 | length 102.3
  Component Side w0.203: U301.1@-56.192,52.266 -56.36,52.098 -56.325,52.063 cw(c-56.515,52.134) -56.371,51.99 -56.47,51.891 cw(c-56.613,52.036) -56.492,51.872 cw(c-57.008,52.578) -57.008,51.704 -57.67,51.704 cw(c-57.67,53.328) -59.294,53.328 C305.2@-59.294,54.229 v1(-59.294,54.991) C304.2@-59.294,55.753 -58.644,55.753 ; U301.48@-56.192,54.352 -56.848,55.009 ccw(c-58.644,53.213) -57.351,55.399 ccw(c-57.454,55.224) -57.44,55.427 cw(c-57.404,56.007) -57.81,55.591 ccw(c-57.951,55.445) -57.889,55.638 ; C302.2@-54.864,47.513 ccw(c-54.864,48.348) -54.029,48.348 -54.029,48.61 ccw(c-54.61,48.641) -54.029,48.676 cw(c-53.827,48.687) -53.971,48.83 U301.9@-53.363,49.438 ; U301.36@-50.217,58.241 ccw(c-50.356,58.389) -50.213,58.245 -49.535,58.923 ccw(c-49.68,59.066) -49.477,59.062 cw(c-48.895,59.055) -49.139,59.583 ; v1(-49.657,65.405) ccw(c-49.044,64.792) -49.854,65.1 ccw(c-49.044,64.792) -49.911,64.792 v1(-49.911,60.325) -49.037,60.325 C303.2@-49.022,60.31 -49.022,59.766 cw(c-49.225,59.767) -49.139,59.583 ; -49.36,59.404 cw(c-48.895,59.055) -49.139,59.583 ; CON302.1@-49.276,70.612 -49.258,70.594 cw(c-51.054,68.798) -48.514,68.798 v1@-48.514,68.199 ; U301.24@-46.328,52.266 -45.877,51.816 C301.2@-43.322,51.816 ; U304.2@-28.463,57.921 cw(c-28.463,57.525) -28.067,57.525 CON303.2@-28.067,51.816 cw(c-28.067,51.211) -27.462,51.211 S301.1@-27.462,49.482 S301.1@-27.462,43.482 ; -58.644,55.753 cw(c-58.644,53.213) -57.889,55.638 ; -58.644,55.753 cw(c-58.644,53.213) -57.889,55.638
  Component Side w0.5: C301.2@-43.322,51.816 -43.322,54.553 cw(c-41.218,54.553) R303.1@-41.218,56.657 -41.218,56.973 cw(c-40.27,56.973) -40.27,57.921 U304.2@-28.463,57.921
  Bottom Layer w0.203: v1(-49.657,65.405) -49.273,65.789 ccw(c-51.069,67.585) -48.529,67.585 v1(-48.529,68.194)
  Bottom Layer w0.5: v1(-49.911,60.325) -51.072,59.164 cw(c-52.868,60.96) -52.868,58.42 -56.754,58.42 ccw(c-56.754,55.88) -59.294,55.88 v1(-59.294,54.991) -59.294,51.119 ccw(c-58.148,51.119) -58.223,49.975 ccw(c-58.194,50.475) -58.204,49.975 cw(c-58.237,47.955) -58.148,49.973 cw(c-58.237,47.955) -57.758,49.917 cw(c-58.237,47.955) -56.262,48.377 cw(c-58.237,47.955) -56.222,48.089 ccw(c-55.723,48.125) -55.725,47.625 v1(-53.975,47.625) -51.979,47.625 ccw(c-51.979,50.165) -50.183,48.369 -46.337,52.215 cw(c-44.541,50.419) -44.541,52.959 v1(-43.434,52.959)
pads on no net: CON301. CON301.A8 CON301.B8 CON302.0 CON302.6 D301.1 D301.6 FID1.0 FID2.0 FID3.0 FID4.0 S201. S202. S203. S204. S205. S206. S207. S208. S209. S210. S211. S212. S213. S214. S215. S215_1. S216. S217. S218. S219. S220. S221. S222. S223. S224. S225. S226. S227. S228. S228_1. S229. S230. S231. S232. S233. S234. S235. S236. S237. S238. S239. S240. S241. S241_1. S242. S242_1. S242_2. S243. S243_1. S243_2. S243_3. S244. S245. S246. S247. S248. S249. S250. S251. S252. S253. S254. S256. S256_1. S256_2. S257. S257_1. S258. S258_1. S259. S259_1. S260. S260_1. S261. S261_1. S262. S262_1. S262_2. S263. S263_1. S264. S265. S265_1. S266. S266_1. S269. S271.

## Polygon pours and split planes (outlines as drawn)
GND on Bottom Layer "Component Side-No Net" (hatched 45Degree grid 1.397 track 0.203, remove dead copper, pour order 0): -0.599,94.203 -0.599,0.858 -284.571,0.858 -284.571,94.203
GND on Component Side "Component Side-No Net" (hatched 45Degree grid 1.397 track 0.203, remove dead copper, pour order 1): -0.635,93.995 -0.635,0.65 -284.607,0.65 -284.607,93.995

## Other copper
Component Side:
  region net GND: 1746 vertices and 2 holes, not listed, extent -118.198,3.921 -112.286,10.06

## Silkscreen, mask and mechanical layers (free items; w line width, h text height)
Top Overlay:
  text "Waffling: adj. or verb - indecisive; unable to make up one's mind; playing the safe middle ground due to one's own lack of conviction or sense of morality." at -244.094,34 h2.9
  text "Waffling60 -D1" at -144.607,13.626 h3
  text "NMB" at -130.683,12.7 h1.75
Top Solder:
  drawing of 2 lines, arcs and shapes, not listed
outline:
  lines w0.1: -131.361,94.414 ccw(c-128.211,95.149) -125.061,94.415 ; -131.361,94.415 -182.809,94.415 cw(c-185.924,95.339) -185.925,92.09 -186.179,92.09 ccw(c-186.18,91.366) -186.692,91.878 cw(c-189.125,94.471) -192.625,93.844 ccw(c-193.195,93.845) -193.196,94.415 -222.695,94.415 ccw(c-222.696,93.845) -223.266,93.844 cw(c-228.225,94.614) -233.184,93.844 ccw(c-233.754,93.845) -233.755,94.415 -243.178,94.415 ccw(c-243.179,93.845) -243.749,93.844 cw(c-247.249,94.471) -250.749,93.844 ccw(c-251.319,93.845) -251.32,94.415 -269.659,94.415 cw(c-272.775,95.341) -275.891,94.415 -282.85,94.415 ccw(c-282.849,92.414) -284.85,92.415 -284.85,39.215 -284.85,39.04 -284.85,2.215 ccw(c-282.849,2.216) -282.85,0.215 -275.891,0.215 cw(c-272.776,-0.709) -272.775,2.54 -269.318,2.54 ccw(c-269.319,3.455) -268.672,2.808 cw(c-266.3,0.158) -262.799,0.786 ccw(c-262.229,0.785) -262.228,0.215 -240.884,0.215 ccw(c-240.885,0.772) -240.328,0.771 cw(c-235.369,0.001) -230.41,0.771 ccw(c-229.853,0.772) -229.854,0.215 -193.196,0.215 ccw(c-193.195,0.785) -192.625,0.786 cw(c-189.125,0.16) -186.682,2.743 ccw(c-186.19,3.237) -186.193,2.54 -185.925,2.54 cw(c-185.924,-0.709) -182.809,0.215 -102.203,0.215 ; -125.061,94.415 -102.191,94.415 ccw(c-99.076,95.339) -99.075,92.09 -98.849,92.09 cw(c-98.85,91.29) -98.285,91.856 ccw(c-95.875,94.471) -92.375,93.844 cw(c-91.805,93.845) -91.804,94.415 -62.305,94.415 cw(c-62.304,93.845) -61.734,93.844 ccw(c-56.775,94.615) -51.816,93.844 cw(c-51.246,93.845) -51.245,94.415 -41.822,94.415 cw(c-41.821,93.845) -41.251,93.844 ccw(c-37.751,94.471) -34.251,93.844 cw(c-33.681,93.845) -33.68,94.415 -13.341,94.415 ccw(c-10.225,95.341) -7.109,94.415 -2.15,94.415 cw(c-2.151,92.414) -0.15,92.415 -0.15,39.04 -0.15,2.215 cw(c-2.151,2.216) -2.15,0.215 -9.109,0.215 ccw(c-12.224,-0.709) -12.225,2.54 -15.8,2.54 cw(c-15.799,3.155) -16.234,2.72 ccw(c-18.701,0.16) -22.201,0.786 cw(c-22.771,0.785) -22.772,0.215 -44.116,0.215 cw(c-44.115,0.772) -44.672,0.771 ccw(c-49.631,0.001) -54.59,0.771 cw(c-55.147,0.772) -55.146,0.215 -91.804,0.215 cw(c-91.805,0.785) -92.375,0.786 ccw(c-95.875,0.159) -98.32,2.741 cw(c-98.832,3.253) -98.833,2.529 -99.087,2.529 ccw(c-99.088,-0.72) -102.203,0.204
Mechanical 2:
  circle w0.013: c-9.15,85.415 r1.994
  lines w0.013: -260.431,65.115 cw(c-260.431,66.365) -260.431,67.615 -257.931,67.615 cw(c-257.931,66.365) -257.931,65.115 -260.431,65.115 ; -232.987,36.996 cw(c-232.987,37.79) -232.987,38.584 -42.487,38.584 cw(c-42.487,37.79) -42.487,36.996 -232.987,36.996 ; -191.433,8.092 cw(c-191.433,9.342) -191.433,10.592 -188.933,10.592 cw(c-188.933,9.342) -188.933,8.092 -191.433,8.092 ; -129.463,46.065 cw(c-129.463,47.315) -129.463,48.565 -126.963,48.565 cw(c-126.963,47.315) -126.963,46.065 -129.463,46.065 ; -27.037,65.115 cw(c-27.037,66.365) -27.037,67.615 -24.537,67.615 cw(c-24.537,66.365) -24.537,65.115 -27.037,65.115
  lines w0.1: -102.203,0.204 cw(c-99.088,-0.72) -99.087,2.529 -98.833,2.529 ccw(c-98.832,3.253) -98.32,2.741 cw(c-95.875,0.159) -92.375,0.786 ccw(c-91.805,0.785) -91.804,0.215 -55.146,0.215 ccw(c-55.147,0.772) -54.59,0.771 cw(c-49.631,0.001) -44.672,0.771 ccw(c-44.115,0.772) -44.116,0.215 -22.772,0.215 ccw(c-22.771,0.785) -22.201,0.786 cw(c-18.701,0.16) -16.234,2.72 ccw(c-15.799,3.155) -15.8,2.54 -12.225,2.54 cw(c-12.224,-0.709) -9.109,0.215 -2.15,0.215 ccw(c-2.151,2.216) -0.15,2.215 -0.15,36.543 cw(c-0.241,37.79) -0.241,36.54 -4.241,36.54 cw(c-4.241,37.79) -4.241,39.04 -0.241,39.04 cw(c-0.241,37.79) -0.15,39.037 -0.15,39.215 -0.15,92.415 ccw(c-2.151,92.414) -2.15,94.415 -7.109,94.415 cw(c-10.225,95.341) -13.341,94.415 -33.68,94.415 ccw(c-33.681,93.845) -34.251,93.844 cw(c-37.751,94.471) -41.251,93.844 ccw(c-41.821,93.845) -41.822,94.415 -51.245,94.415 ccw(c-51.246,93.845) -51.816,93.844 cw(c-56.775,94.615) -61.734,93.844 ccw(c-62.304,93.845) -62.305,94.415 -91.804,94.415 ccw(c-91.805,93.845) -92.375,93.844 cw(c-95.875,94.471) -98.285,91.856 ccw(c-98.85,91.29) -98.849,92.09 -99.075,92.09 cw(c-99.076,95.339) -102.191,94.415 -182.809,94.415 cw(c-185.924,95.339) -185.925,92.09 -186.179,92.09 ccw(c-186.18,91.366) -186.692,91.878 cw(c-189.125,94.471) -192.625,93.844 ccw(c-193.195,93.845) -193.196,94.415 -222.695,94.415 ccw(c-222.696,93.845) -223.266,93.844 cw(c-228.225,94.614) -233.184,93.844 ccw(c-233.754,93.845) -233.755,94.415 -243.178,94.415 ccw(c-243.179,93.845) -243.749,93.844 cw(c-247.249,94.471) -250.749,93.844 ccw(c-251.319,93.845) -251.32,94.415 -269.659,94.415 cw(c-272.775,95.341) -275.891,94.415 -282.85,94.415 ccw(c-282.849,92.414) -284.85,92.415 -284.85,39.215 -284.85,39.037 cw(c-284.759,37.79) -284.759,39.04 -280.759,39.04 cw(c-280.759,37.79) -280.759,36.54 -284.759,36.54 cw(c-284.759,37.79) -284.85,36.543 -284.85,2.215 ccw(c-282.849,2.216) -282.85,0.215 -275.891,0.215 cw(c-272.776,-0.709) -272.775,2.54 -269.318,2.54 ccw(c-269.319,3.455) -268.672,2.808 cw(c-266.3,0.158) -262.799,0.786 ccw(c-262.229,0.785) -262.228,0.215 -240.884,0.215 ccw(c-240.885,0.772) -240.328,0.771 cw(c-235.369,0.001) -230.41,0.771 ccw(c-229.853,0.772) -229.854,0.215 -193.196,0.215 ccw(c-193.195,0.785) -192.625,0.786 cw(c-189.125,0.16) -186.682,2.743 ccw(c-186.19,3.237) -186.193,2.54 -185.925,2.54 cw(c-185.924,-0.709) -182.809,0.215 -102.203,0.215
Mechanical 13:
  lines w0.1: -24.208,94.415 -13.477,94.415 ccw(c-10.327,95.149) -7.177,94.415 ; -23.553,94.415 -95.95,94.415 cw(c-99.1,95.149) -102.25,94.415 -182.75,94.415 cw(c-185.9,95.149) -189.05,94.415 -269.55,94.415 cw(c-272.7,95.149) -275.85,94.415 -282.85,94.415 ccw(c-282.85,92.415) -284.85,92.415 -284.85,36.565 -284.85,2.215 ccw(c-282.85,2.215) -282.85,0.215 -275.85,0.215 cw(c-272.7,-0.52) -269.55,0.215 -189.05,0.215 cw(c-185.9,-0.52) -182.75,0.215 -102.25,0.215 cw(c-99.1,-0.52) -95.95,0.215 -15.45,0.215 cw(c-12.3,-0.52) -9.15,0.215 -2.15,0.215 ccw(c-2.15,2.215) -0.15,2.215 -0.15,36.576 -0.15,92.415 ccw(c-2.15,92.415) -2.15,94.415 -7.15,94.415
Mechanical 16:
  drawing of 562 lines, arcs and shapes, not listed

## Text inside footprints (layer, text, board x,y; h text height)
CON301: Mechanical 15 "connector edge" at -15.25,95.5 h1 r180